# Altium PCB Tub_Board.PcbDoc (part 1 of 2)
Units mm, origin at the board's own origin, x right, y up, seen from the top; angles counter-clockwise.
Board outline 198 x 198 mm, 2 copper layers (Top Layer, Bottom Layer), stack 1.671 mm thick; 233 components, 179 nets, 696 pads, 84 vias.
Unrouted connection lines stored in the file: 22.
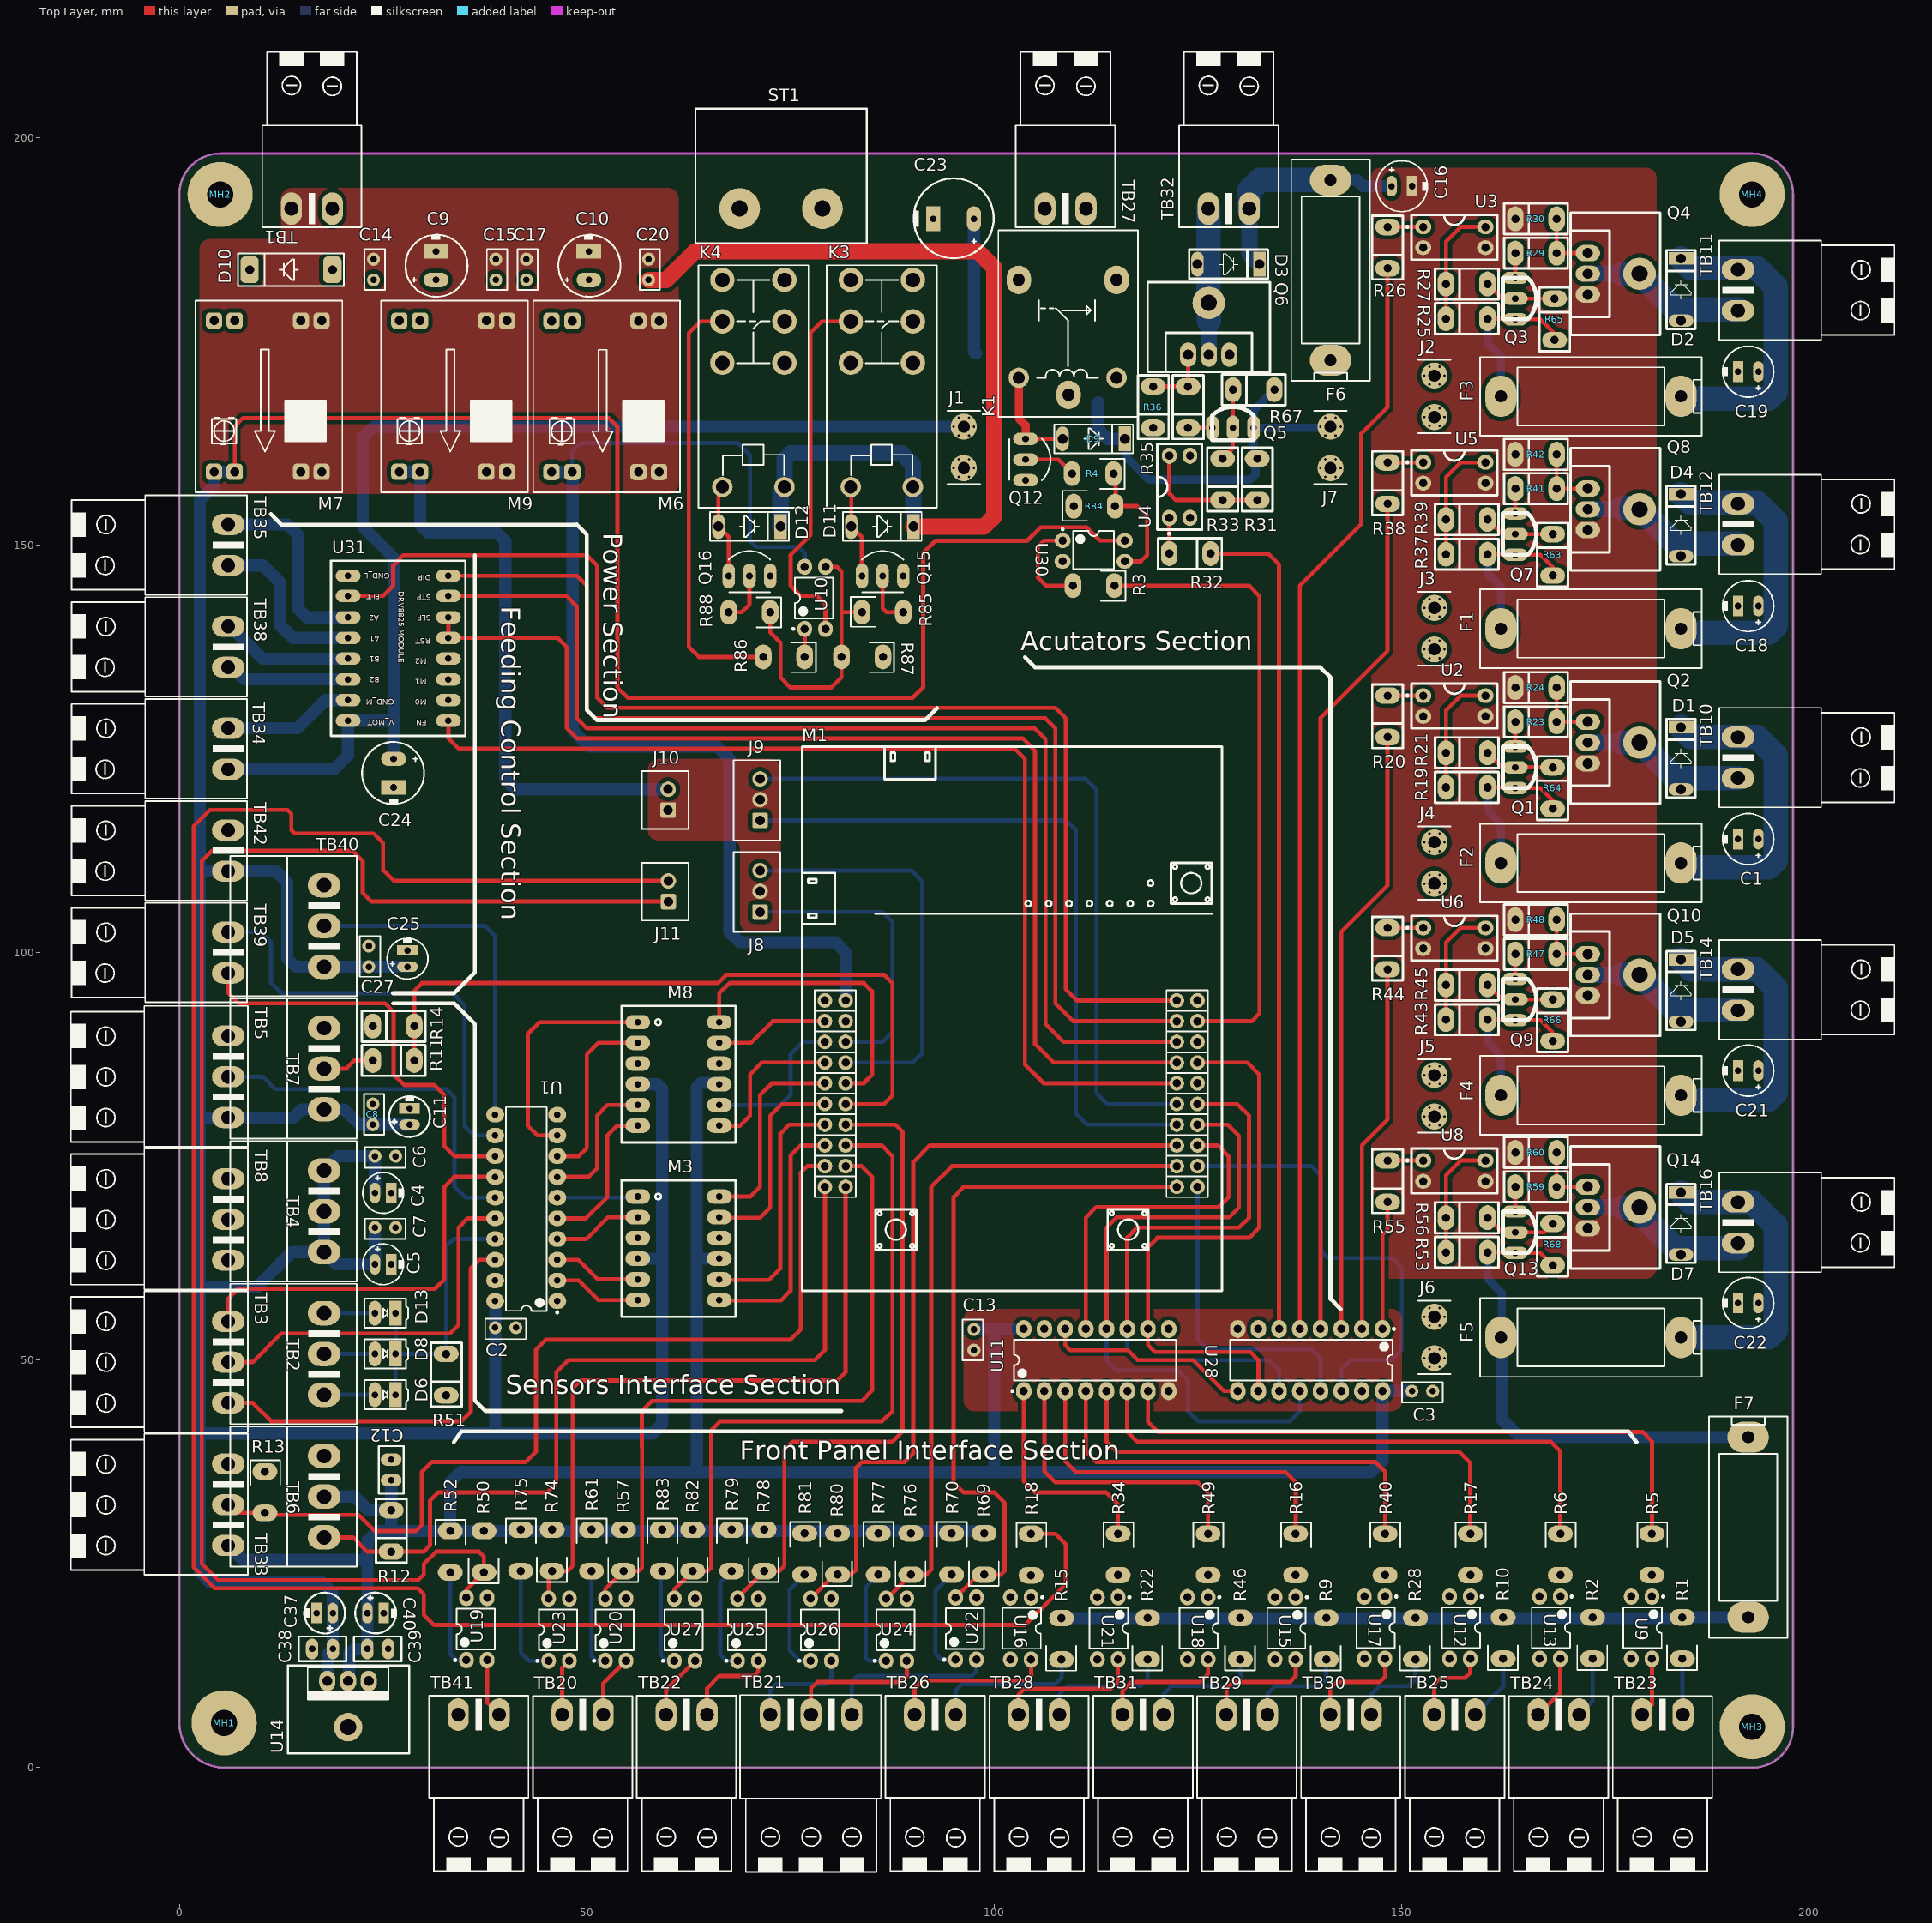
[diagram p0: Top Layer view]
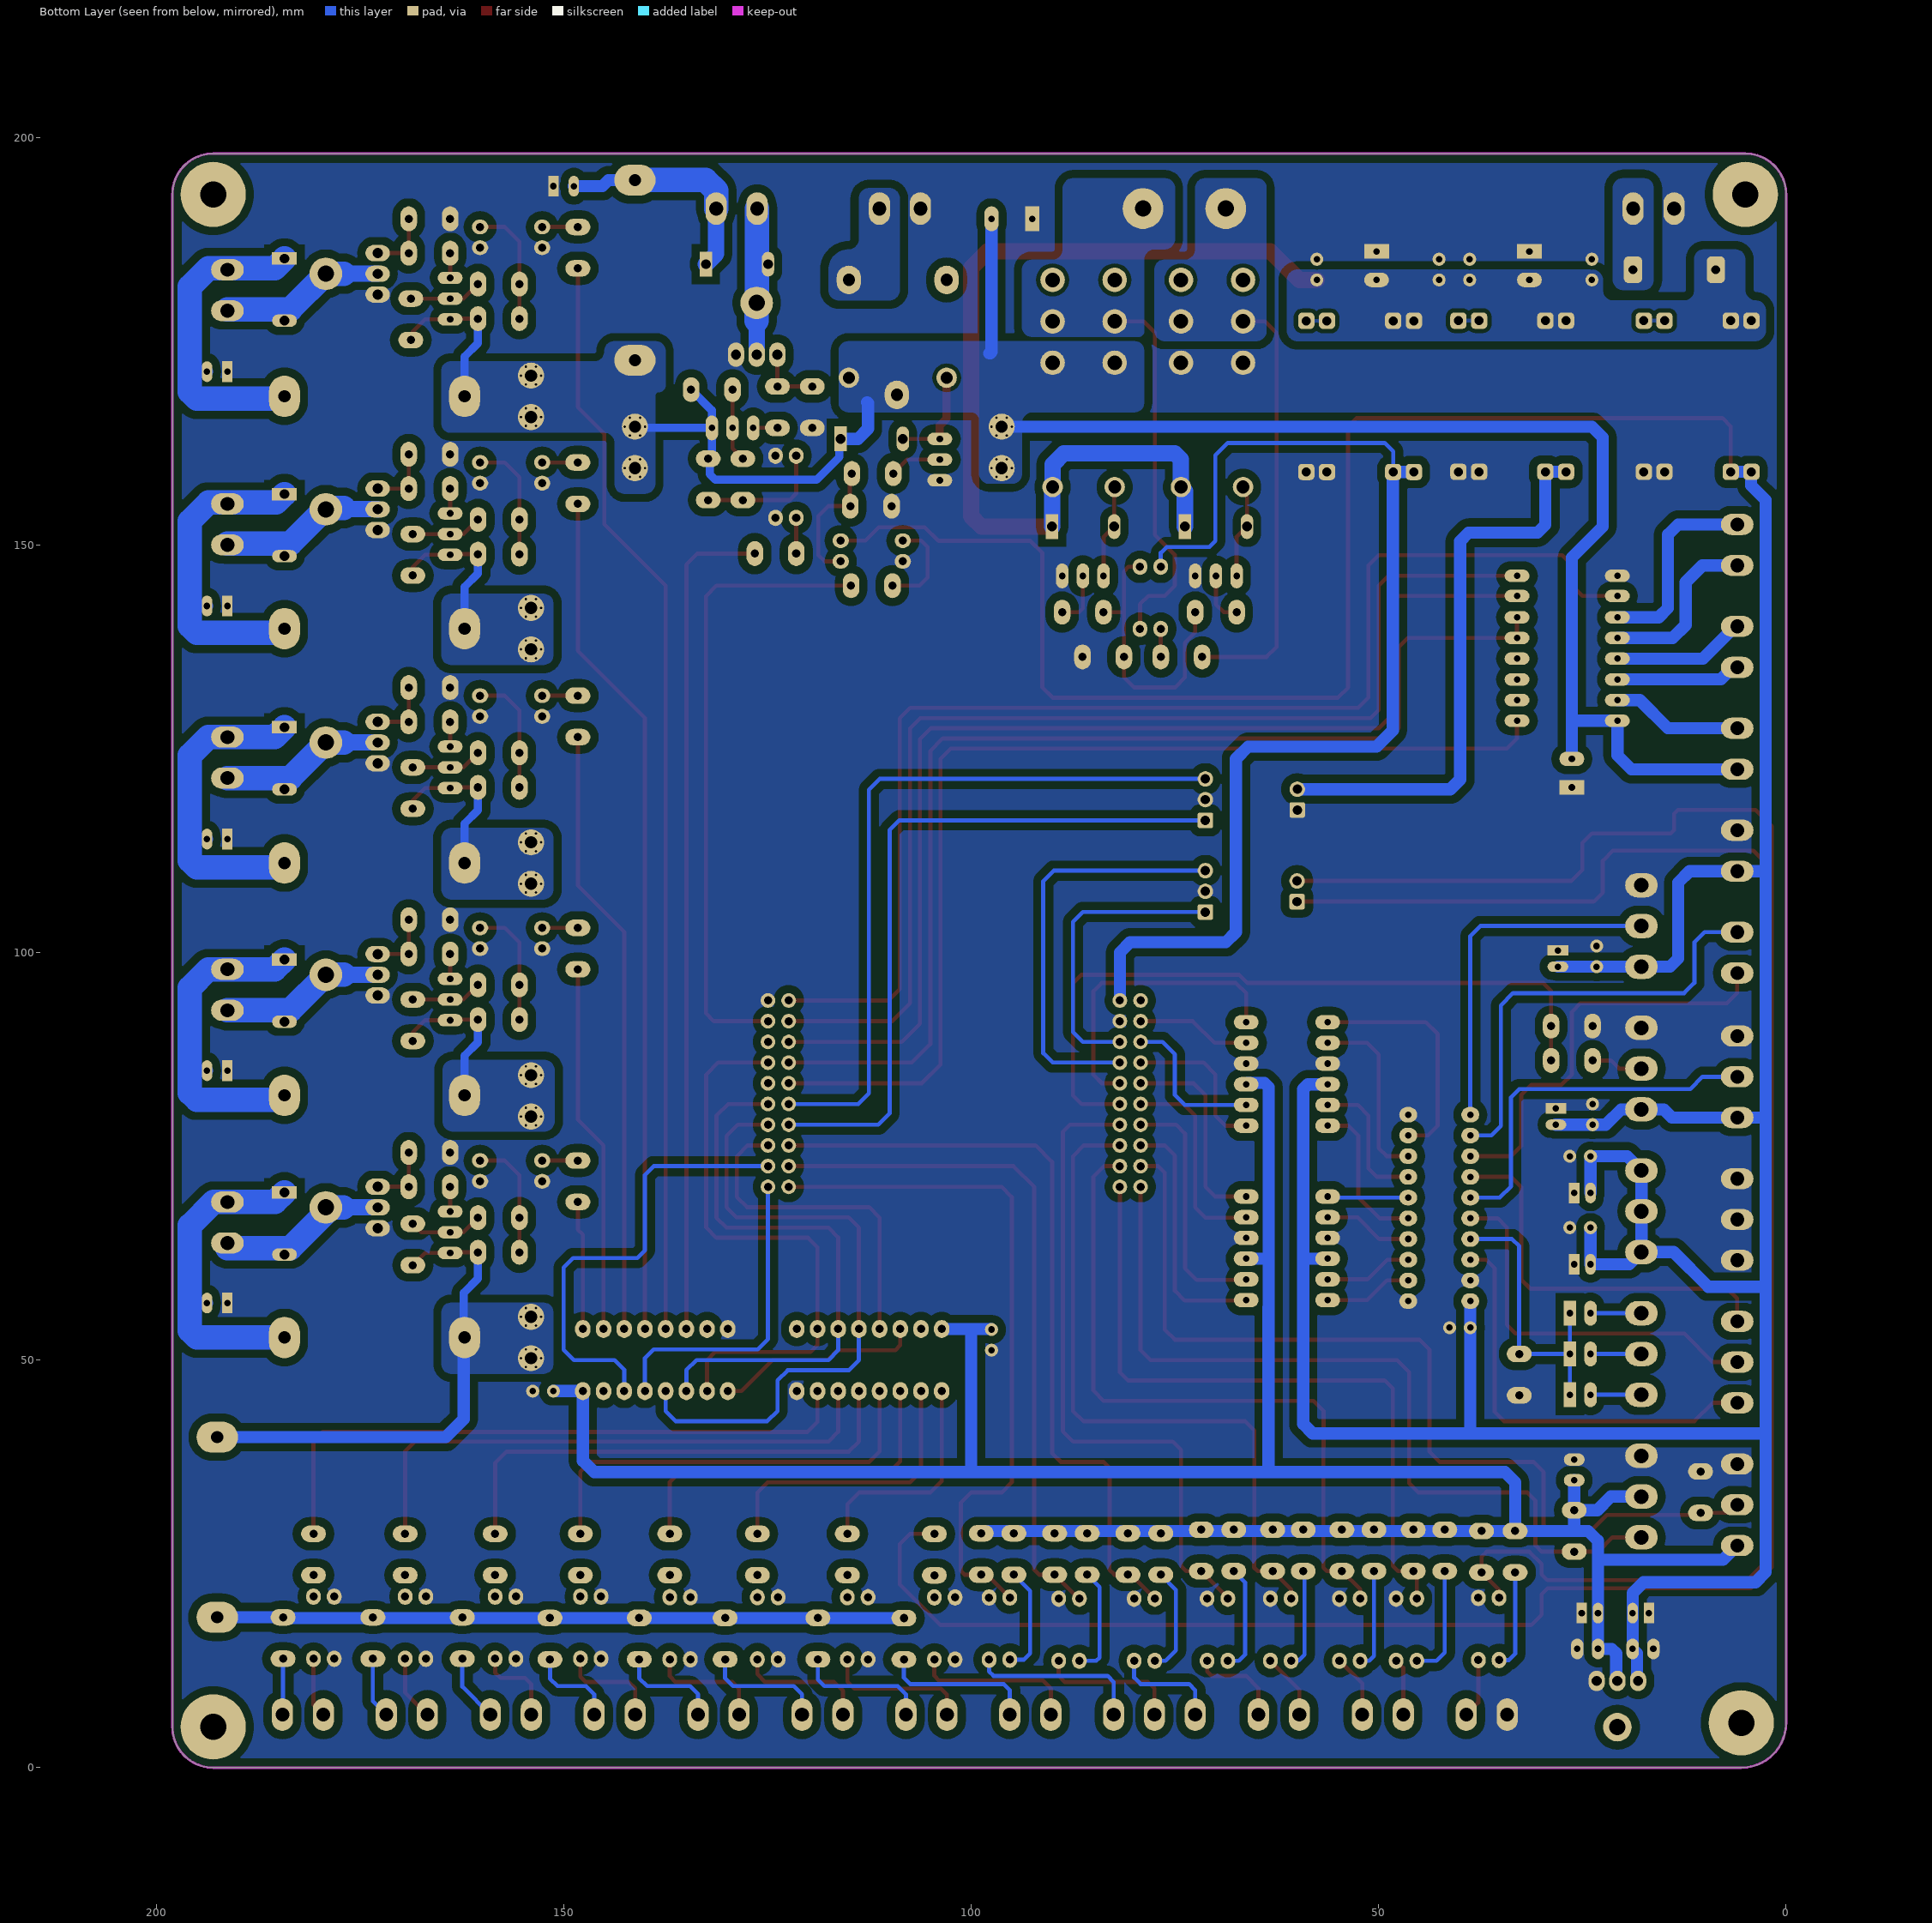
[diagram p1: Bottom Layer view, seen from below]

## Layer stack, top to bottom
Top Solder: solder mask 0.0102, Solder Resist, Dk 3.5
Top Layer: signal copper 0.0356
Dielectric 1: dielectric 1.6, FR-4, Dk 4.8
Bottom Layer: signal copper 0.0356
Bottom Solder: solder mask 0.0102, Solder Resist, Dk 3.5

## Board outline
0,5.5 0,193 cw(c5,193) 5,198 193,198 cw(c193,193) 198,193 198,5 cw(c193,5) 193,0 5.5,0 cw(c5.5,5.5)

## Design rules (kind name [scope] priority, off if disabled: settings)
Clearance Clearance_BGND [InNamedPolygon('BGND')] p1: gap=1 ignorepadtopadclearanceinfootprint=FALSE
Clearance [All] p2: gap=0.5 ignorepadtopadclearanceinfootprint=FALSE
PlaneConnect [All] p1: planeconnectstyle=Direct reliefexpansion=0.508 reliefentries=4 reliefconductorwidth=0.254 reliefairgap=0.254
PolygonConnect [All] p1: connectstyle=Direct reliefconductorwidth=0.254 reliefentries=4 polygonreliefangle="90 Angle" airgapwidth=0.254
RoutingVias [All] p1: holewidth=0.711 width=1.8 viastyle="Through Hole" minholewidth=0.711 minwidth=1.8 maxholewidth=0.711 maxwidth=1.8
SolderMaskExpansion [All] p1: expansion=0.102 istentingtop=FALSE
Width "Schematic Width Constraint_8" [InNet('+5V_S')] p1: maxlimit=1.5 minlimit=0.5 preferedwidth=1.5
Width "Schematic Width Constraint_6" [InNet('+Bat')] p2: maxlimit=5 minlimit=0.5 preferedwidth=5
Width "Schematic Width Constraint_4" [InNet('+7V')] p3: maxlimit=2 minlimit=1.5 preferedwidth=1.5
Width "Schematic Width Constraint_2" [InNet('3.3V')] p4: maxlimit=2 minlimit=1.5 preferedwidth=1.5
Width "Schematic Width Constraint_1" [InNet('+Vreg')] p5: maxlimit=2 minlimit=2 preferedwidth=2
Width "Schematic Width Constraint" [InNet('+VBUS')] p6: maxlimit=2 minlimit=0.5 preferedwidth=1.5
Width [All] p7: maxlimit=5 minlimit=0.5 preferedwidth=0.5
29 further rules are at their usual default settings.

## Classes and differential pairs
component class "[05]_Control Panel Items Sheet": C13 F7 R1 R2 R5 R6 R9 R10 R15 R16 R17 R18 R22 R28 R34 R40 R46 R49 R50 R52 R57 R61 R69 R70 R74 R75 R76 R77 R78 R79 R80 R81 R82 R83 TB20 TB21 TB22 TB23 TB24 TB25 TB26 TB28 TB29 TB30 TB31 TB41 U9 U11 U12 U13 U15 U16 U17 U18 U19 U20 U21 U22 U23 U24 U25 U26 U27
component class "[03]_Actuators Driver Sheet": C1 C3 C16 C18 C19 C21 C22 C24 D1 D2 D3 D4 D5 D7 D9 F1 F2 F3 F4 F5 F6 F? J1 J2 J3 J4 J5 J6 J7 K1 Q1 Q2 Q3 Q4 Q5 Q6 Q7 Q8 Q9 Q10 Q12 Q13 Q14 R3 R4 R19 R20 R21 R23 R24 R25 R26 R27 R29 R30 R31 R32 R33 R35 R36 R37 R38 R39 R41 R42 R43 R44 R45 R47 R48 R53 R55 R56 R59 R60 R63 R64 R65 R66 R67 R68 R84 TB10 TB11 TB12 TB14 TB16 TB27 TB32 TB34 TB35 TB38 U2 U3 U4 U5 U6 U8 U28 U30 U31
component class "[02]_Sensors Sheet": 90 C2 C4 C5 C6 C7 C8 C11 C12 C25 C27 D6 D8 D13 M3 M8 R11 R12 R13 R14 R51 TB2 TB3 TB4 TB5 TB6 TB7 TB8 TB33 TB39 TB40 TB42 U1
component class "[01]_Controllers Sheet": J8 J9 J11 M1
component class "[04]_Power Sheet": C9 C10 C14 C15 C17 C20 C23 C37 C38 C39 C40 D10 D11 D12 D? J10 K3 K4 M6 M7 M9 MH1 MH2 MH3 MH4 Q15 Q16 R85 R86 R87 R88 ST1 TB1 U10 U14

## Components (designator, comment, footprint, x,y, rotation, side; value= is the part's Value field where it differs from the comment)
C1 "47uF/50V" "ECAP - THT - 6.3X11X2.5MM" 192.5,113.909 r180 top
C2 "1nF/50V" "CCAP - PACKAGE - THT ,P = 2.54 MM" 40.02,53.97 r0 top
C3 "100nF/50V" "CCAP - PACKAGE - THT ,P = 2.54 MM" 152.52,46.19 r0 top
C4 "4.7uF/35V" "ECAP - THT - 5X11X2MM" 25,70.5 r0 top
C5 "4.7uF/35V" "ECAP - THT - 5X11X2MM" 25,61.75 r0 top
C6 "100nF/50V" "CCAP - PACKAGE - THT ,P = 2.54 MM" 25.27,75 r0 top
C7 "100nF/50V" "CCAP - PACKAGE - THT ,P = 2.54 MM" 25.27,66.25 r0 top
C8 "100nF/50V" "CCAP - PACKAGE - THT ,P = 2.54 MM" 23.75,80.14 r90 top
C9 "100uF/50V" "ECAP - THT - 8X12X3.5MM" 31.5,184.25 r90 top
C10 "100uF/50V" "ECAP - THT - 8X12X3.5MM" 50.25,184.25 r90 top
C11 "1uF/50V" "ECAP 5X11X2MM" 28.25,78.87 r90 top
C12 "100nF" "CCAP 0.1 N Y" 26,36.52 r90 top
C13 "100nF/50V" "CCAP - PACKAGE - THT ,P = 2.54 MM" 97.5,52.48 r270 top
C14 "100nF/50V" "CCAP - PACKAGE - THT ,P = 2.54 MM" 23.83,183.77 r90 top
C15 "100nF/50V" "CCAP - PACKAGE - THT ,P = 2.54 MM" 38.83,183.77 r90 top
C16 "47uF/50V" "ECAP - THT - 6.3X11X2.5MM" 150,194.001 r0 top
C17 "100nF/50V" "CCAP - PACKAGE - THT ,P = 2.54 MM" 42.58,183.77 r90 top
C18 "47uF/50V" "ECAP - THT - 6.3X11X2.5MM" 192.5,142.499 r180 top
C19 "47uF/50V" "ECAP - THT - 6.3X11X2.5MM" 192.5,171.249 r180 top
C20 "100nF/50V" "CCAP - PACKAGE - THT ,P = 2.54 MM" 57.58,183.77 r90 top
C21 "47uF/50V" "ECAP - THT - 6.3X11X2.5MM" 192.5,85.499 r180 top
C22 "47uF/50V" "ECAP - THT - 6.3X11X2.5MM" 192.5,56.999 r180 top
C23 "470uF/50V" "ECAP - THT - 10X20X5MM" 95,190 r180 top
C24 "100uF/50V" "ECAP - THT - 8X12X3.5MM" 26.29,122 r270 top
C25 "4.7uF/35V" "ECAP - THT - 5X11X2MM" 28,99.25 r90 top
C27 "100nF/50V" "CCAP - PACKAGE - THT ,P = 2.54 MM" 23.25,99.52 r90 top
C37 "10uF/50V" "ECAP 5X11X2MM" 18.83,18.96 r180 top
C38 "100nF" "CCAP 0.1 N Y" 17.56,14.565 r180 top
C39 "100nF" "CCAP 0.1 N Y" 24.35,14.565 r0 top
C40 "10uF/50V" "ECAP 5X11X2MM" 23.08,18.96 r0 top
D1 "DIODE" DIODE-1N400X_0.3 184.25,123.81 r90 top
D2 "DIODE" DIODE-1N400X_0.3 184.25,181.31 r90 top
D3 "DIODE" DIODE-1N400X_0.3 128.735,184.432 r0 top
D4 "DIODE" DIODE-1N400X_0.3 184.25,152.423 r90 top
D5 "DIODE" DIODE-1N400X_0.3 184.25,95.324 r90 top
D6 "1N4007" "DIODE - THT - 2.54P - PACKAGE - DO-41" 25.27,45.75 r180 top
D7 "DIODE" DIODE-1N400X_0.3 184.25,66.76 r90 top
D8 "1N4007" "DIODE - THT - 2.54P - PACKAGE - DO-41" 25.27,50.75 r180 top
D9 "1N4007" "DIODE - THT - 7.62P - PACKAGE - DO-41" 112.19,163 r0 top
D10 "1N4007" "DIODE - THT - 10.16P - PACKAGE - DO-41" 13.699,183.75 r180 top
D11 "1N4007" "DIODE - THT - 7.62P - PACKAGE - DO-41" 86.25,152.25 r0 top
D12 "1N4007" "DIODE - THT - 7.62P - PACKAGE - DO-41" 69.96,152.25 r0 top
D13 "1N4007" "DIODE - THT - 2.54P - PACKAGE - DO-41" 25.27,55.75 r180 top
F1 "FUSES&HOLDERS" "FUSE-BLX-A HOLDER" 173.201,139.721 r0 top
F2 "FUSES&HOLDERS" "FUSE-BLX-A HOLDER" 173.201,110.971 r0 top
F3 "FUSES&HOLDERS" "FUSE-BLX-A HOLDER" 173.201,168.221 r0 top
F4 "FUSES&HOLDERS" "FUSE-BLX-A HOLDER" 173.201,82.471 r0 top
F5 "FUSES&HOLDERS" "FUSE-BLX-A HOLDER" 173.201,52.768 r0 top
F6 "FUSES&HOLDERS" "FUSE-BLX-A HOLDER" 141.25,183.701 r270 top
F7 "FUSES&HOLDERS" "FUSE-BLX-A HOLDER" 192.5,29.489 r90 top
J1 "1217861-1" "Terminal Male Flat 6.3mm" 96.25,161.961 r90 top
J2 "1217861-1" "Terminal Male Flat 6.3mm" 154,168.221 r90 top
J3 "1217861-1" "Terminal Male Flat 6.3mm" 154,139.721 r90 top
J4 "1217861-1" "Terminal Male Flat 6.3mm" 154,110.971 r90 top
J5 "1217861-1" "Terminal Male Flat 6.3mm" 154,82.41 r90 top
J6 "1217861-1" "Terminal Male Flat 6.3mm" 154,52.768 r90 top
J7 "1217861-1" "Terminal Male Flat 6.3mm" 141.25,161.961 r90 top
J8 "B3B-XH-A(LF)(SN)" "XH - 3P - Vertical - Package - THT - P = 2.54" 71.25,107.5 r90 top
J9 "B3B-XH-A(LF)(SN)" "XH - 3P - Vertical - Package - THT - P = 2.54" 71.25,118.75 r90 top
J10 "B2B-XH-A(LF)(SN)" "XH - 2P - Vertical - Package - THT - P = 2.54" 59.98,118.75 r90 top
J11 "B2B-XH-A(LF)(SN)" "XH - 2P - Vertical - Package - THT - P = 2.54" 60,107.5 r90 top
K1 "RELAY_12V_10A" "RELAY - THT - 10A" 109,175.45 r180 top
K3 "SMIH-12VDC-S L-C" RELAY-TH_SMIH-12VDC-SL-C 86.19,169.8 r90 top
K4 "SMIH-12VDC-S L-C" RELAY-TH_SMIH-12VDC-SL-C 70.44,169.8 r90 top
M1 "EK-TM4C123GXL" TIVA-C 102.065,82.68 r0 top
M3 "Logic Level Shifter" "Logic Level Shifter" 56.25,70.06 r0 top
M6 "MP1584EN" "DC TO D CCONVERTER - MP1584" 45.668,158.941 r90 top
M7 "MP1584EN" "DC TO D CCONVERTER - MP1584" 4.25,158.958 r90 top
M8 "Logic Level Shifter" "Logic Level Shifter" 56.25,91.45 r0 top
M9 "MP1584EN" "DC TO D CCONVERTER - MP1584" 27,158.958 r90 top
MH1 "MOUNTING HOLE" MH-3.2X8MM_ROUND 5.5,5.5 r0 top locked
MH2 "MOUNTING HOLE" MH-3.2X8MM_ROUND 5,193 r0 top locked
MH3 "MOUNTING HOLE" MH-3.2X8MM_ROUND 193,5 r0 top locked
MH4 "MOUNTING HOLE" MH-3.2X8MM_ROUND 193,193 r0 top locked
Q1 "PNP" TRANSISTOR-TO-92A 163.92,122.71 r270 top
Q2 "IRF3205PBF" "TRANSISTOR/HEATSINK -TO-220" 176,125.75 r270 top
Q3 "PNP" TRANSISTOR-TO-92A 163.92,180.21 r270 top
Q4 "IRF3205PBF" "TRANSISTOR/HEATSINK -TO-220" 176,183.25 r270 top
Q5 "PNP" TRANSISTOR-TO-92A 129.275,164.352 r0 top
Q6 "IRF3205PBF" "TRANSISTOR/HEATSINK -TO-220" 126.311,176.507 r0 top
Q7 "PNP" TRANSISTOR-TO-92A 163.92,151.323 r270 top
Q8 "IRF3205PBF" "TRANSISTOR/HEATSINK -TO-220" 176,154.363 r270 top
Q9 "PNP" TRANSISTOR-TO-92A 163.92,94.224 r270 top
Q10 "IRF3205PBF" "TRANSISTOR/HEATSINK -TO-220" 176,97.264 r270 top
Q12 "BC337" "Transistor - THT - PACKAGE - TO-92 / TO-92-3" 103.84,160.46 r270 top
Q13 "PNP" TRANSISTOR-TO-92A 163.92,65.68 r270 top
Q14 "IRF3205PBF" "TRANSISTOR/HEATSINK -TO-220" 176,68.72 r270 top
Q15 "BC337" "Transistor - THT - PACKAGE - TO-92 / TO-92-3" 86.29,146.19 r0 top
Q16 "BC337" "Transistor - THT - PACKAGE - TO-92 / TO-92-3" 69.96,146.19 r0 top
R1 "470R" "R - THT - P5.0 - 1/4W" 184.429,15.9 r90 top
R2 "470R" "R - THT - P5.0 - 1/4W" 173.4,15.9 r90 top
R3 "220R" "R - THT - P5.0 - 1/4W" 112.19,145 r180 top
R4 "1K" "R - THT - P5.0 - 1/4W" 112.09,158.75 r180 top
R5 "150R" "R - THT - P5.0 - 1/4W" 180.69,26.15 r270 top
R6 "150R" "R - THT - P5.0 - 1/4W" 169.44,26.15 r270 top
R9 "470R" "R - THT - P5.0 - 1/4W" 140.715,15.827 r90 top
R10 "470R" "R - THT - P5.0 - 1/4W" 162.429,15.9 r90 top
R11 "1K" R-THT_5.08MM-1/4W 28.83,86.75 r180 top
R12 "4.7K" R-THT_5.08MM-1/4W 26,26.5 r90 top
R13 "10K" "R - THT - P5.0 - 1/4W" 10.5,33.79 r270 top
R14 "2.2K" R-THT_5.08MM-1/4W 23.75,90.97 r0 top
R15 "470R" "R - THT - P5.0 - 1/4W" 108.25,15.807 r90 top
R16 "150R" "R - THT - P5.0 - 1/4W" 136.976,26.157 r270 top
R17 "150R" "R - THT - P5.0 - 1/4W" 158.4,26.15 r270 top
R18 "150R" "R - THT - P5.0 - 1/4W" 104.511,26.137 r270 top
R19 "10K" R-THT_5.08MM-1/4W 155.42,120.25 r0 top
R20 "220R" R-THT_5.08MM-1/4W 148.25,126.42 r90 top
R21 "1K" R-THT_5.08MM-1/4W 155.42,124.5 r0 top
R22 "470R" "R - THT - P5.0 - 1/4W" 118.795,15.827 r90 top
R23 "10R" R-THT_5.08MM-1/4W 163.92,128.29 r0 top
R24 "10K" R-THT_5.08MM-1/4W 163.92,132.5 r0 top
R25 "10K" R-THT_5.08MM-1/4W 155.42,177.75 r0 top
R26 "220R" R-THT_5.08MM-1/4W 148.25,183.92 r90 top
R27 "1K" R-THT_5.08MM-1/4W 155.42,182 r0 top
R28 "470R" "R - THT - P5.0 - 1/4W" 151.67,15.82 r90 top
R29 "10R" R-THT_5.08MM-1/4W 163.92,185.79 r0 top
R30 "10K" R-THT_5.08MM-1/4W 163.92,190 r0 top
R31 "10K" R-THT_5.08MM-1/4W 132.25,155.494 r90 top
R32 "220R" R-THT_5.08MM-1/4W 126.54,148.932 r180 top
R33 "1K" R-THT_5.08MM-1/4W 128,155.494 r90 top
R34 "150R" "R - THT - P5.0 - 1/4W" 115.186,26.157 r270 top
R35 "10R" R-THT_5.08MM-1/4W 123.771,164.352 r90 top
R36 "10K" R-THT_5.08MM-1/4W 119.485,164.352 r90 top
R37 "10K" R-THT_5.08MM-1/4W 155.42,148.863 r0 top
R38 "220R" R-THT_5.08MM-1/4W 148.25,155.033 r90 top
R39 "1K" R-THT_5.08MM-1/4W 155.42,153.113 r0 top
R40 "150R" "R - THT - P5.0 - 1/4W" 147.94,26.15 r270 top
R41 "10R" R-THT_5.08MM-1/4W 163.92,156.903 r0 top
R42 "10K" R-THT_5.08MM-1/4W 163.92,161.113 r0 top
R43 "10K" R-THT_5.08MM-1/4W 155.42,91.764 r0 top
R44 "220R" R-THT_5.08MM-1/4W 148.25,97.934 r90 top
R45 "1K" R-THT_5.08MM-1/4W 155.42,96.014 r0 top
R46 "470R" "R - THT - P5.0 - 1/4W" 130.186,15.827 r90 top